# KiCad board FetsAndCrosses.kicad_pcb (continued)
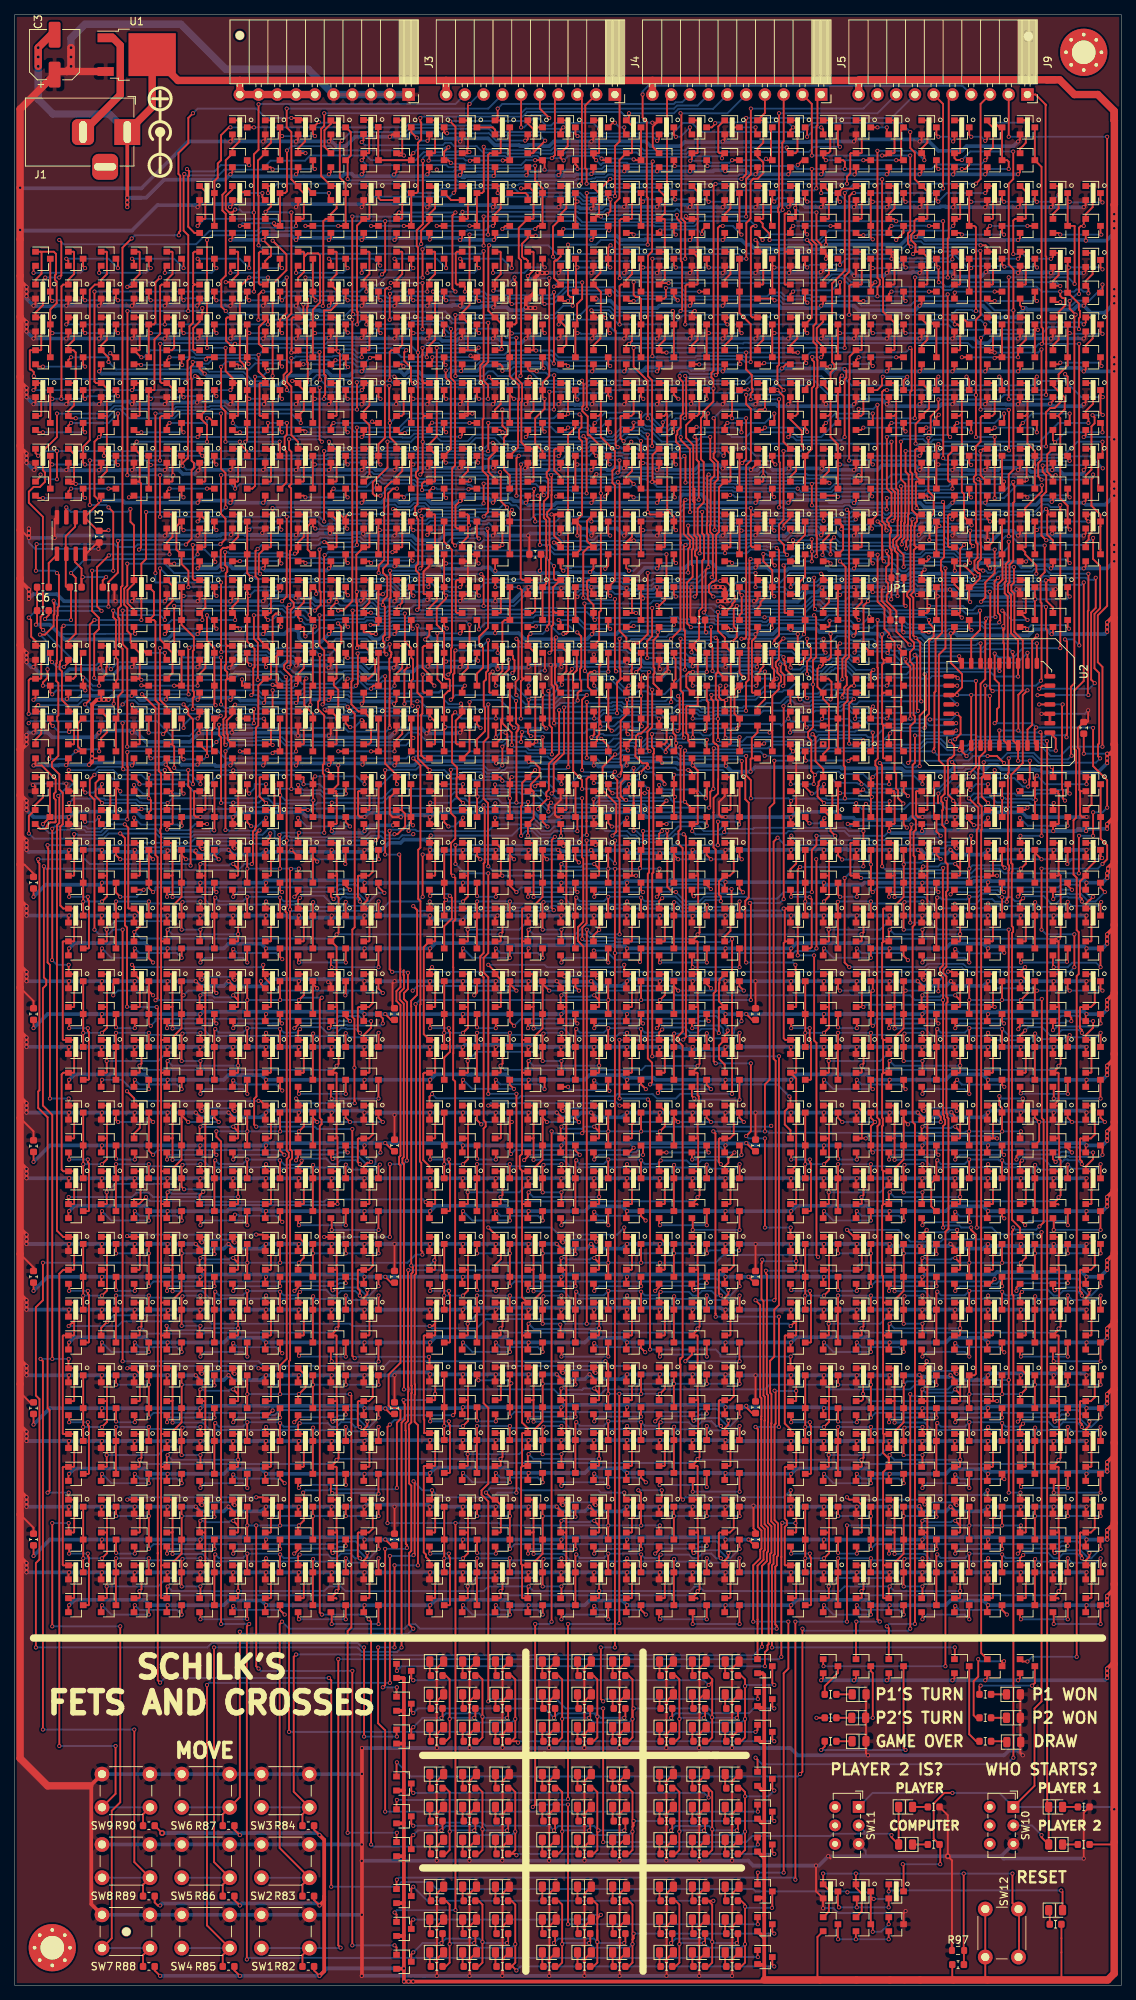
[diagram p0: board, top side]
## Routing (per net, layer and track width the routed paths; a pad name or vN(x,y) marks a point on that pad's centre or on a via; arc(x,y) is an arc through that point) (continued)
  Bottom w0.25: v1(83.19,253.36) 89.28,253.36 89.88,253.97 94.58,253.97 96.52,255.9 ; v1(122.15,199.93) 122.62,199.47 138.23,199.47 139.19,200.42 139.95,200.42 140.31,200.07 141.33,200.07 v1(141.6,200.34) ; v1(132.72,170.81) 137.76,170.81 v1(138.33,170.24) 145.99,170.24 v1(146.05,170.18) ; v1(146.05,158.75) 147.32,158.75 v1(147.95,159.38) ; v1(144.12,150.5) 133.98,150.5 133.35,151.13 130.17,151.13 129.54,150.5 123.62,150.5 123.49,150.37 122.55,150.37 122.42,150.5 113.03,150.5 v1(112.39,149.86) ; v1(136.84,137.79) 128.91,137.79 128.46,138.25 123.64,138.25 123.22,137.82 113.13,137.82 113.1,137.79 ; v1(132.72,180.24) 133.25,179.7 135.25,179.7 136.52,180.97 v1(141.6,180.97) ; 84.27,208.01 84.57,207.72 86.61,207.72 86.93,208.03 99.31,208.03 100.33,207.01 v1(122.55,207.01) ; 84.27,208.01 79.9,208.01 79.4,208.51 78.08,208.51 77.62,208.05 68.55,208.05 68.54,208.06 65.44,208.06 v1(64.74,208.76) 64.35,208.76 63.68,208.1 43.36,208.1 v1(42.55,208.91) ; 84.27,208.01 82.23,208.01 82.05,208.2 v1(81.66,208.2) ; v1(100.33,30.8) 101.22,29.9 134.36,29.9 v1(135.25,30.8) ; v1(139.1,133.5) 138.95,133.35 v1(136.27,133.35) 133.73,133.35 v1(133.71,133.37) 133.69,133.35 v1(129.29,133.35) ; v1(135.22,102.56) 135.51,102.27 138.35,102.27 v1(138.78,102.7) ; v1(144.14,155.57) v1(146.05,155.57)
/Computer/30: length 539.9
  Top w0.25: Q1285.3 129.27,116.86 ; 129.27,116.86 129.29,116.84 ; 129.27,116.86 Q1286.3 ; v1(133.73,115.57) 133.72,115.59 Q1288.3 133.72,118.76 133.35,119.12 v1(133.35,120.33) ; Q1303.1 136.16,115.46 v1(136.27,115.57) ; 136.27,119.17 Q1301.1 136.52,119.42 v1(136.52,120.01) ; v1(104.78,49.21) 104.78,42.86 104.14,42.23 v1(104.14,15.24) ; v1(37.47,239.94) 37.47,226.27 36.85,225.66 36.85,218.4 36.41,217.96 36.41,216.79 36.85,216.35 v1(36.85,215.9) ; 47.96,207.96 48.04,207.88 v1(48.04,204.24) 47.31,203.51 Q569.1 47.04,203.51 46.94,203.41 ; 47.96,207.96 Q570.1 ; 47.96,207.96 48.04,208.04 48.04,211.17 47.26,211.94 Q593.1 47.26,213.05 48.04,213.83 48.04,216.77 47.96,216.85 Q594.1 47.26,216.15 v1(47,215.89) ; v1(118.09,199.76) 118.11,199.79 v1(118.11,201.29) ; v1(88.34,242.71) 88.34,255.34 88.9,255.9 ; v1(140.99,167.1) 140.99,168.74 U2.30 ; v1(94.93,90.49) 94.93,90.88 94.9,90.91 94.9,115.29 v1(94.62,115.57) ; v1(34.29,242.57) 34.29,243.15 Q541.1 34.62,243.52 34.7,243.44 34.7,240.76 v1(33.97,240.03) 33.97,239.12 Q542.1 ; v1(100.33,75.56) 100.65,75.25 100.65,62.04 101.13,61.56 101.13,59.09 100.97,58.93 100.97,57.78 100.01,56.83 v1(100.01,49.21) ; v1(107.96,200.31) 107.95,200.32 v1(107.95,203.2) ; v1(61.66,203.68) 61.49,203.51 Q575.1 60.59,204.16 61.37,204.94 61.37,207.88 61.3,207.96 Q576.1 ; v1(103.51,75.56) v1(103.51,90.49) ; v1(124.46,167) 124.46,167.39 124.56,167.49 124.56,174.97 124.71,175.12 124.71,182.17 125.6,183.07 125.6,191.33 125.45,191.48 125.45,192.86 125.87,193.28 125.87,200.61 v1(125.72,200.77) ; v1(110.33,203.32) 110.33,203.37 110.19,203.51 Q744.1 109.49,204.16 110.27,204.94 110.27,207.88 110.19,207.96 Q743.1 ; Q1338.1 100.6,15.19 v1(100.65,15.24) ; v1(101.6,115.57) 101.6,121.92 102.23,122.55 102.23,159.38 102.87,160.02 v1(102.87,165.73)
  Bottom w0.25: v1(136.27,115.57) v1(133.73,115.57) v1(129.26,115.57) 128.87,115.57 128.68,115.39 102.17,115.39 101.99,115.57 v1(101.6,115.57) v1(94.62,115.57) ; 123.11,201.24 123.19,201.29 ; 123.19,201.29 123.19,200.88 123.45,200.62 125.57,200.62 v1(125.72,200.77) ; 123.19,201.29 v1(118.11,201.29) ; v1(102.87,165.73) 105.41,165.73 106.68,167 v1(124.46,167) 124.92,166.54 128.19,166.54 128.62,166.97 128.87,166.97 129.99,168.09 139.25,168.09 140.24,167.1 v1(140.99,167.1) ; v1(34.29,242.57) 35.56,243.84 52.07,243.84 53.34,242.57 57.15,242.57 57.79,243.2 67.69,243.2 68.29,242.6 76.55,242.6 77.18,241.97 78.16,241.97 78.24,242.05 78.85,242.05 79.41,242.6 79.66,242.6 79.81,242.76 88.29,242.76 v1(88.34,242.71) ; v1(36.85,215.9) 37.13,215.62 46.72,215.62 v1(47,215.89) ; v1(33.97,240.03) 35.88,240.03 35.97,239.94 v1(37.47,239.94) ; v1(133.35,120.33) 133.67,120.01 v1(136.52,120.01) ; v1(100.33,75.56) v1(103.51,75.56) ; v1(100.65,15.24) v1(104.14,15.24) ; v1(107.96,200.31) 108.11,200.16 112.27,200.16 112.42,200.31 113,200.31 113.33,199.98 117.87,199.98 v1(118.09,199.76) ; v1(104.78,49.21) v1(100.01,49.21) ; v1(110.33,203.32) 107.2,203.32 106.87,203.65 104.89,203.65 104.84,203.6 97.79,203.6 97.74,203.65 93.85,203.65 93.45,204.05 86.52,204.05 86.29,204.29 82.09,204.29 81.94,204.14 81.52,204.14 81.41,204.02 81.24,204.02 81,203.78 72.36,203.78 72.06,204.08 67.1,204.08 66.76,203.74 65.25,203.74 65.15,203.84 61.81,203.84 v1(61.66,203.68) 61.6,203.74 56,203.74 55.68,203.42 54.45,203.42 54.14,203.74 49.9,203.74 49.56,204.08 48.2,204.08 v1(48.04,204.24) ; v1(103.51,90.49) v1(94.93,90.49)
/Computer/sheet5EDC8ECF/Q: length 55.7
  Top w0.25: v1(115.57,187.32) 114.96,186.71 v1(114.96,181.58) 114.96,181.32 Q1358.3 ; v1(120.65,186.69) 120.39,186.94 JP1.1 ; v1(111.76,181.61) 111.49,181.34 Q1355.3 Q1353.3 ; 120.05,170.85 120.38,171.18 Q1354.3 ; 120.05,170.85 120.05,167.34 Q1359.3 ; 120.05,170.85 120.05,180.01 Q1361.3 119.76,180.96 v1(119.76,181.21) ; 120.02,175.89 Q1349.3
  Bottom w0.25: v1(115.57,187.32) 118.11,187.32 118.74,186.69 v1(120.65,186.69) ; v1(114.96,181.58) 114.94,181.6 114.94,181.61 ; 114.94,181.61 v1(111.76,181.61) ; 114.94,181.61 115.12,181.43 119.54,181.43 v1(119.76,181.21)
/EndState_Detect/Draw: length 211.4
  Top w0.25: v1(104.11,182.28) 103.51,181.67 103.51,179.49 103.07,179.06 103.07,178.49 103.29,178.27 103.29,177.64 103.79,177.14 103.79,176.47 103.47,176.15 103.47,175.4 102.6,174.53 102.6,169.81 ; v1(106.88,182.86) 107.05,183.02 Q1379.3 Q1382.3 ; v1(86.29,169.33) 86.29,167.59 86.56,167.32 86.56,166.74 86.49,166.67 86.49,150.62 86.34,150.47 v1(86.34,125.73) ; 102.3,80.76 102.33,80.79 ; 102.3,80.76 102.3,84.52 102.87,85.09 102.87,91.44 103.51,92.07 v1(103.51,125.73) ; 102.3,80.76 102.3,80.2 102.48,80.02 102.48,76.07 102.45,76.04 102.45,62.78 102.93,62.3 102.93,58.35 102.77,58.18 102.77,57.04 102.55,56.83 v1(102.55,45.72) ; v1(102.23,169.54) 102.33,169.54 102.6,169.81 ; v1(127.32,45.72) 127.32,44.18 Q1343.1 ; 102.6,169.81 Q1383.3
  Bottom w0.25: 104.2,182.25 104.16,182.28 v1(104.11,182.28) 106.3,182.28 v1(106.88,182.86) ; v1(103.51,125.73) v1(86.34,125.73) ; v1(86.29,169.33) 86.43,169.46 89.18,169.46 89.48,169.16 90.06,169.16 90.44,169.54 92.83,169.54 93.21,169.16 94.13,169.16 94.43,169.46 97.83,169.46 97.88,169.52 102.21,169.52 v1(102.23,169.54) ; v1(102.55,45.72) v1(127.32,45.72)
/EndState_Detect/Draw_Detect/0: length 46.5
  Top w0.25: Q493.3 66.46,238.12 v1(66.05,237.71) ; v1(70.48,246.26) 70.48,244.22 71.48,243.22 Q495.3 Q496.3 70.91,238.12 v1(70.49,237.71) ; Q511.1 47.93,252.46 48.01,252.38 48.01,248.01 47.96,247.96 Q514.1 47.26,247.28 v1(46.99,247.01)
  Bottom w0.25: v1(46.99,247.01) 47.67,246.34 56.31,246.34 56.35,246.38 58.45,246.38 58.77,246.06 59.34,246.06 59.36,246.08 60.76,246.08 60.96,245.89 62.34,245.89 62.39,245.94 65.34,245.94 65.35,245.93 68.77,245.93 69.1,246.26 v1(70.48,246.26) ; v1(70.49,237.71) v1(66.05,237.71)
/EndState_Detect/Draw_Detect/1: length 23.4
  Top w0.25: Q515.3 v1(114.94,247.01) ; v1(119.38,247.01) Q518.3 120.05,247.35 120.05,251.13 Q517.3 ; Q510.1 110.19,252.41 110.46,252.14 110.46,248.23 110.19,247.96 Q508.1 109.49,247.38 v1(109.86,247.01)
  Bottom w0.25: v1(119.38,247.01) v1(114.94,247.01) v1(109.86,247.01)
/EndState_Detect/Draw_Detect/2: length 67
  Top w0.25: Q543.3 v1(57.15,238.12) ; v1(63.52,248.83) 63.52,242.79 63.3,242.57 Q545.3 Q546.3 61.62,238.12 v1(61.59,238.15) ; v1(104.56,248.74) 104.56,248.45 Q502.1 105.75,247.96 106.01,248.23 106.01,252.14 105.75,252.41 Q509.1
  Bottom w0.25: v1(63.52,248.83) 63.87,248.48 66.75,248.48 66.87,248.37 69.67,248.37 69.82,248.52 71.15,248.52 71.31,248.35 72.62,248.35 73.24,248.97 84.61,248.97 85.23,248.34 90.79,248.34 91.18,248.74 v1(104.56,248.74) ; v1(57.15,238.12) 61.57,238.12 v1(61.59,238.15)
/EndState_Detect/Draw_Detect/3: length 24.1
  Top w0.25: Q519.3 v1(97.16,247.01) ; Q521.3 102.42,251.28 102.42,247.2 Q522.3 101.93,247.01 v1(101.75,247.2) ; v1(91.49,246.94) 91.71,247.16 Q513.1 92.41,247.96 92.49,248.04 92.49,252.33 92.41,252.41 Q505.1
  Bottom w0.25: v1(101.75,247.2) 101.56,247.01 v1(97.16,247.01) 96.82,246.68 94.25,246.68 93.99,246.94 v1(91.49,246.94)
/EndState_Detect/Draw_Detect/4: length 60.6
  Top w0.25: v1(52.7,238.12) Q526.3 Q525.3 54.41,242.57 54.61,242.77 54.61,249.38 55.05,249.81 55.05,252.1 54.93,252.22 v1(54.93,252.73) ; Q523.3 v1(48.26,238.12) ; v1(86.36,252.09) 86.95,252.09 Q504.1 86.41,251.56 86.41,248.82 Q507.1
  Bottom w0.25: v1(48.26,238.12) v1(52.7,238.12) ; v1(86.36,252.09) 83.57,252.09 82.11,253.55 69.4,253.55 68.77,252.91 55.11,252.91 v1(54.93,252.73)
/EndState_Detect/Draw_Detect/5: length 23.3
  Top w0.25: Q529.3 Q530.3 83.93,247.01 v1(83.82,247.13) ; Q527.3 79.69,247.01 v1(79.47,247.23) ; Q503.1 74.63,252.41 74.9,252.14 74.9,248.93 Q501.1 73.93,247.31 74.26,246.98 v1(74.34,246.98)
  Bottom w0.25: v1(83.82,247.13) 83.71,247.23 v1(79.47,247.23) 79.09,247.62 74.98,247.62 v1(74.34,246.98)
/EndState_Detect/Draw_Detect/6: length 55.2
  Top w0.25: Q531.3 v1(39.37,238.12) ; v1(43.81,238.12) Q534.3 Q533.3 44.81,243.87 44.02,244.67 44.02,249.37 v1(44.3,249.65) ; Q499.1 69.48,251.99 70.26,251.21 70.26,248.04 ; 70.26,248.04 70.26,248.08 v1(71.84,249.66) ; 70.26,248.04 70.19,247.96 Q512.1
  Bottom w0.25: v1(39.37,238.12) v1(43.81,238.12) ; v1(71.84,249.66) 71.12,250.37 65.15,250.37 64.26,251.26 58.44,251.26 58.31,251.4 53.48,251.4 52.91,250.82 45.48,250.82 v1(44.3,249.65)
/EndState_Detect/Draw_Detect/7: length 23.7
  Top w0.25: Q537.3 Q538.3 66.13,247.01 v1(66.09,246.98) ; Q535.3 61.72,247.01 v1(61.64,246.94) ; v1(56.05,246.96) 56.15,247.07 Q506.1 56.85,247.96 56.93,248.04 56.93,252.33 56.85,252.41 Q498.1
  Bottom w0.25: v1(56.05,246.96) 58.43,246.96 58.73,247.26 60.77,247.26 61.05,246.98 61.6,246.98 v1(61.64,246.94) 61.68,246.98 v1(66.09,246.98)
/EndState_Detect/Draw_Detect/8: length 41.5
  Top w0.25: Q539.3 v1(30.48,238.12) ; Q497.1 52.41,252.41 52.48,252.33 52.48,248.04 52.41,247.96 Q500.1 52.02,247.65 v1(52.7,247.65) ; v1(36.86,248.33) 36.86,242.81 36.62,242.57 Q541.3 Q542.3 35.22,238.12 35.11,238.24 v1(35.11,238.48)
  Bottom w0.25: v1(35.11,238.48) 30.84,238.48 v1(30.48,238.12) ; v1(52.7,247.65) 52.01,248.34 43.32,248.34 42.75,248.92 37.46,248.92 v1(36.86,248.33)
/EndState_Detect/P1_Won: length 465.4
  Top w0.25: Q479.3 Q481.3 4.81,228.23 v1(5.08,227.96) ; Q477.3 13.7,228.33 v1(13.97,228.06) ; v1(116.84,248.28) 116.84,231.11 117.15,230.79 117.15,230.19 116.84,229.87 v1(116.84,228.6) ; Q423.1 123.52,252.41 123.6,252.33 123.6,249.39 122.83,248.61 Q421.1 123.19,247.6 v1(123.19,247.01) ; Q482.3 18.14,228.33 v1(18.42,228.06) ; Q478.3 27.04,228.33 v1(27.31,228.06) ; v1(128.59,194.96) 128.05,194.41 128.05,190.08 128.27,189.85 v1(128.27,189.46) ; v1(104.12,197.17) 104.12,197.68 105.05,198.61 Q1380.1 ; v1(9.53,228.06) 9.25,228.33 Q487.3 ; Q483.3 31.48,228.33 v1(31.75,228.06) ; v1(123.87,195.61) 123.9,195.64 v1(123.9,197.97) 123.9,198.63 124.46,199.19 124.46,201.49 123.74,202.21 v1(123.74,209.42) ; v1(143.83,44.45) 143.82,44.45 143.82,136.59 144.11,136.87 144.11,142.53 143.82,142.81 143.82,149.91 143.4,150.34 143.4,157.68 143.74,158.02 143.74,167.12 143.51,167.34 143.51,175.26 144.78,176.53 v1(144.78,189.86) ; Q488.3 22.59,228.33 v1(22.86,228.06) ; 135.89,43.86 Q1341.1 136.47,43.81 v1(137.16,43.81) ; v1(94.3,183.83) 94.3,181.2 94.5,181 v1(94.5,177.87) ; v1(36.2,228.06) 35.92,228.33 Q489.3 ; v1(91.57,183.81) 91.06,184.32 91.06,189.87 91.81,190.62 91.81,192.14 91.69,192.26 91.69,194.28 91.89,194.47 91.89,195.76 91.21,196.44 v1(91.21,197.55) ; Q1378.1 100.6,173.05 101.6,174.05 v1(101.6,177.8) ; v1(126.68,209.55) 126.35,209.88 v1(126.35,228.85)
  Bottom w0.25: v1(123.9,197.97) 122.68,197.97 122.23,197.52 118.46,197.52 118.31,197.67 117.3,197.67 117.15,197.52 116.57,197.52 116.26,197.83 115.92,197.83 115.76,197.67 110.7,197.67 110.09,197.07 109.16,197.07 108.78,197.46 104.41,197.46 v1(104.12,197.17) 103.73,197.17 103.41,197.48 95.17,197.48 95.07,197.59 91.24,197.59 v1(91.21,197.55) ; v1(126.68,209.55) 126.41,209.82 124.35,209.82 123.95,209.42 v1(123.74,209.42) ; v1(126.35,228.85) 126.1,228.6 v1(116.84,228.6) 111.67,228.6 111.6,228.53 108.08,228.53 107.82,228.79 106.87,228.79 106.7,228.62 104.3,228.62 103.82,229.11 102.43,229.11 101.93,228.6 90.77,228.6 90.24,229.12 81.74,229.12 81.04,229.83 74.59,229.83 73.05,228.3 63.8,228.3 63.5,228.6 58.76,228.6 58.71,228.66 58.13,228.66 58.08,228.6 54.32,228.6 54.26,228.66 51.42,228.66 51.1,228.34 50.53,228.34 50.22,228.66 49.24,228.66 49.19,228.6 45.43,228.6 45.37,228.66 36.8,228.66 v1(36.2,228.06) v1(31.75,228.06) v1(27.31,228.06) 27.03,228.33 23.13,228.33 v1(22.86,228.06) v1(18.42,228.06) v1(13.97,228.06) v1(9.53,228.06) 5.17,228.06 v1(5.08,227.96) ; v1(123.19,247.01) 121.92,248.28 v1(116.84,248.28) ; v1(101.6,177.8) 100.01,177.8 99.79,178.02 98.22,178.02 97.82,177.63 94.75,177.63 v1(94.5,177.87) ; v1(144.78,189.86) 144.46,189.55 134.39,189.55 133.81,188.96 132.58,188.96 132.26,189.29 131.58,189.29 131.47,189.18 129.41,189.18 129.13,189.46 v1(128.27,189.46) ; v1(137.16,43.81) 137.79,44.45 v1(143.83,44.45) ; v1(128.59,194.96) 128.2,194.96 128.02,195.13 126.18,195.13 125.69,195.61 v1(123.87,195.61) ; v1(94.3,183.83) 91.6,183.83 v1(91.57,183.81)
/EndState_Detect/P2_Won: length 397.5
  Top w0.25: Q597.3 Q599.3 40.37,228.58 40.74,228.22 v1(40.74,228.04) ; v1(62.87,227.96) 62.59,228.23 Q596.3 ; Q595.3 49.26,228.33 v1(49.53,228.06) ; Q600.3 53.7,228.33 v1(53.98,228.06) ; Q1379.1 104.34,185.73 104.27,185.81 104.27,192.02 v1(104.12,192.17) ; v1(138.97,176.56) 139.06,176.65 139.06,187.07 138.94,187.2 138.94,190.69 139.49,191.24 v1(139.49,194.86) 139.57,194.94 139.57,194.95 ; v1(105.41,195.58) 105.41,194.63 105.41,194.62 Q1381.1 ; Q607.3 71.48,227.82 v1(71.76,227.55) ; v1(110.49,193.67) 110.49,195.5 v1(110.96,195.97) ; v1(107.94,195.71) 107.95,195.69 v1(107.95,192.72) ; v1(67.31,227.55) 67.04,227.82 Q601.3 ; Q605.3 44.81,228.33 v1(45.08,228.06) ; v1(131.44,175.89) 131.44,167 130.63,166.19 130.63,164.72 130.49,164.59 130.49,160.02 130.96,159.56 130.96,156.42 130.89,156.35 130.89,44.95 Q1342.1 ; Q424.1 127.97,252.41 128.05,252.33 128.05,248.04 127.97,247.96 Q422.1 127.27,247.31 127.55,247.04 v1(128.27,247.04) ; Q606.3 58.15,228.33 v1(58.42,228.06) ; v1(134.62,196.12) 134.62,204.47 135.26,205.11 135.26,208.03 135.25,208.04 v1(135.25,226.69) 135.25,232.28 134.62,232.91 134.62,243.84 135.23,244.45 v1(135.23,248.19)
  Bottom w0.25: v1(128.27,247.04) 129.43,248.19 v1(135.23,248.19) ; v1(110.96,195.97) 111,195.97 111.7,195.26 118.78,195.26 120.18,193.86 120.56,193.86 120.71,193.71 122.59,193.71 123.19,194.31 125.73,194.31 125.81,194.23 127.4,194.23 127.95,193.67 132.97,193.67 133.32,194.02 133.32,195.23 134.21,196.12 135.01,196.12 ; v1(105.41,195.58) 107.81,195.58 v1(107.94,195.71) ; 105.73,192.72 106.05,192.72 ; 105.73,192.72 105.4,192.39 104.45,192.39 104.23,192.17 v1(104.12,192.17) ; 105.73,192.72 v1(107.95,192.72) ; 135.01,196.12 v1(134.62,196.12) ; 135.01,196.12 136.27,194.86 v1(139.49,194.86) ; v1(40.74,228.04) 40.75,228.06 v1(45.08,228.06) v1(49.53,228.06) 49.69,227.89 51.29,227.89 51.45,228.06 v1(53.98,228.06) v1(58.42,228.06) 62.77,228.06 v1(62.87,227.96) 62.98,227.85 67.01,227.85 v1(67.31,227.55) 67.7,227.55 67.85,227.7 71.22,227.7 71.37,227.55 v1(71.76,227.55) 72.94,227.55 74.77,229.38 80.85,229.38 81.56,228.67 90.06,228.67 90.58,228.15 102.11,228.15 102.62,228.66 103.63,228.66 104.12,228.17 106.89,228.17 107.06,228.34 107.64,228.34 108.01,227.96 114.05,227.96 114.65,227.36 121.32,227.36 121.92,227.96 131.44,227.96 132.72,226.69 v1(135.25,226.69) ; v1(110.49,193.67) 109.96,194.2 108.5,194.2 108.36,194.06 v1(107.97,194.06) ; v1(138.97,176.56) 138.31,175.89 v1(131.44,175.89)
/EndState_Detect/sheet5ED298A3/sheet5ED2645B/A: length 32.9
  Top w0.25: Q428.1 136.16,248.61 136.52,248.92 136.94,249.39 136.94,252.33 136.86,252.41 Q427.1 136.84,252.41 v1(137.16,252.09) ; Q425.3 133.35,251.46 v1(132.72,252.09) ; Q425.3 133.72,250.01 ; Q425.3 Q426.3 134.41,247.01 134.62,246.81 v1(134.62,245.84) ; Q422.3 129.27,246.36 128.74,245.84 v1(128.27,245.84) ; Q421.3 124.83,246.11 v1(125.1,245.84)
  Bottom w0.25: v1(125.1,245.84) v1(128.27,245.84) v1(134.62,245.84) ; v1(132.72,252.09) v1(137.16,252.09)
/EndState_Detect/sheet5F618C3B/C: length 82.4
  Top w0.25: v1(123.83,184.78) 123.83,184.35 124.46,183.71 124.46,182.56 123.84,181.94 123.84,172.08 123.36,171.61 123.36,170.32 v1(123.22,170.19) ; Q1383.1 101.38,167.95 v1(101.49,168.06) ; Q1382.1 105.09,190.13 v1(105.09,189.23) ; Q1384.3 89.17,171.36 89.17,169.49 89.5,169.16 89.5,167.24 Q1385.3 89.57,167.31 v1(89.57,168.11) ; v1(108.27,190.5) 108.27,186.37 v1(108.38,186.26)
  Bottom w0.25: v1(108.27,190.5) 106.36,190.5 v1(105.09,189.23) ; v1(123.22,170.19) 117.8,170.19 116.52,168.91 115.57,168.91 115.25,169.23 108.9,169.23 108.03,168.36 101.78,168.36 v1(101.49,168.06) 101.3,167.87 98.4,167.87 98.32,167.79 95.19,167.79 94.96,168.02 94.39,168.02 94.33,167.96 93.44,167.96 93.2,168.21 89.66,168.21 v1(89.57,168.11) ; v1(108.38,186.26) 108.67,185.97 114.76,185.97 114.91,185.82 117.5,185.82 118.14,185.19 123.42,185.19 v1(123.83,184.78)
/EndState_Detect/sheet5F619E8D/A: length 222.6
  Top w0.25: v1(107.95,245.84) 107.95,236.22 108.56,235.61 108.56,224.99 108.17,224.59 108.17,222.41 108.62,221.96 108.62,220.06 108.71,219.96 108.71,216.28 108.56,216.13 108.56,196.3 108.62,196.25 108.62,193.48 v1(108.55,193.41) ; Q508.3 112.19,247.01 112.43,246.78 v1(112.43,245.84) ; v1(71.76,245.74) 71.76,246.74 Q512.3 ; Q511.3 49.23,247.04 Q514.3 Q500.3 53.7,247.7 v1(53.98,247.97) ; v1(99.04,172.5) 99.04,176.34 99.39,176.69 99.39,180.96 99.38,180.97 99.38,181.67 99.39,181.69 99.39,182.14 99.51,182.26 99.51,192.89 v1(99.66,193.04) ; v1(93.81,246.23) 93.71,246.33 Q513.3 ; v1(131.44,247.01) 131.72,247.28 Q426.1 132.49,248.74 132.49,251.43 131.72,252.21 Q425.1 ; 88.04,168.03 87.97,167.95 ; 87.97,167.95 88.28,168.27 v1(88.28,172.1) 87.99,172.4 Q1384.1 ; 87.97,167.95 Q1385.1 ; Q512.3 71.48,246.65 ; Q512.3 v1(70.48,247.01) ; v1(89.38,246.23) 89.27,246.34 Q507.3 ; v1(59.06,246.66) 58.7,247.01 Q506.3 58.15,248.18 v1(58.74,248.76) ; v1(76.2,245.84) 76.2,246.22 76,246.43 75.93,246.43 Q501.3 ; Q502.3 106.68,247.01 v1(106.05,246.38)
  Bottom w0.25: 105.95,245.84 v1(112.43,245.84) 124.21,245.84 124.81,246.44 130.87,246.44 v1(131.44,247.01) ; 105.95,245.84 106.05,245.93 v1(106.05,246.38) ; 105.95,245.84 105.56,246.23 v1(93.81,246.23) v1(89.38,246.23) 86.48,246.23 86.33,246.08 82.89,246.08 82.74,246.23 79.88,246.23 79.51,245.86 76.22,245.86 v1(76.2,245.84) 75.81,245.84 75.72,245.74 74.62,245.74 74.49,245.61 71.25,245.61 ; v1(108.55,193.41) 105.29,193.41 104.85,192.97 99.73,192.97 v1(99.66,193.04) ; v1(71.76,245.74) 71.37,245.74 71.25,245.63 71.25,245.61 ; v1(99.04,172.5) 99,172.45 95.72,172.45 95.71,172.47 94.76,172.47 94.61,172.32 92.86,172.32 92.51,172.66 89.73,172.66 89.17,172.1 v1(88.28,172.1) ; 71.25,245.61 69.09,245.61 68.95,245.48 65.16,245.48 65.15,245.49 62.57,245.49 62.52,245.44 60.77,245.44 60.58,245.63 59.55,245.63 59.38,245.47 57.42,245.47 v1(57.15,245.74) 57.06,245.84 ; v1(70.48,247.01) 69.22,247.01 68.58,246.38 65.53,246.38 65.52,246.39 62.2,246.39 62.15,246.34 61.19,246.34 61,246.53 59.19,246.53 v1(59.06,246.66) ; v1(58.74,248.76) 58.35,248.76 58.19,248.6 54.61,248.6 v1(53.98,247.97)
/EndState_Detect/Win_Detect_P1/Col_1: length 37.5
  Top w0.25: 18.14,214.99 Q459.3 18.85,215.9 18.92,215.98 18.92,222.76 19.68,223.52 19.68,229.98 19.89,230.19 Q488.1 20.59,230.83 21.37,231.61 21.37,234.55 21.29,234.63 Q486.1 ; 18.14,214.99 Q461.3 ; 18.14,214.99 18.14,214.99 v1(18.42,214.72) ; v1(27.31,215.08) 27.04,215.35 Q464.3 ; Q460.3 22.59,215.2 v1(22.86,214.93)
  Bottom w0.25: v1(27.31,215.08) 23.01,215.08 v1(22.86,214.93) 18.62,214.93 v1(18.42,214.72)
/EndState_Detect/Win_Detect_P1/Col_2: length 35.2
  Top w0.25: Q485.1 16.85,234.63 16.92,234.55 16.92,231.61 16.14,230.83 Q482.1 15.83,229.87 v1(15.24,229.87) ; 18.14,223.88 Q441.3 18.85,224.79 19.05,224.99 19.05,230.5 v1(19.68,231.14) ; 18.14,223.88 Q443.3 ; 18.15,223.89 18.16,223.89 v1(18.43,223.61) ; Q446.3 27.04,223.9 v1(27.32,223.61) ; v1(22.88,223.61) 22.59,223.9 Q442.3
  Bottom w0.25: v1(19.68,231.14) 19.05,230.5 15.88,230.5 v1(15.24,229.87) ; v1(18.43,223.61) v1(22.88,223.61) v1(27.32,223.61)
/EndState_Detect/Win_Detect_P1/Col_3: length 46.6
  Top w0.25: Q484.1 12.4,234.63 12.48,234.55 12.48,231.61 11.7,230.83 Q477.1 10.86,230.19 10.16,229.49 10.16,209.13 9.25,208.22 Q448.3 9.25,206.1 v1(9.53,205.83) ; 4.81,206.1 Q447.3 ; 4.81,206.1 Q449.3 ; 4.81,206.1 4.81,206.1 v1(5.08,205.83) ; Q452.3 13.7,206.04 v1(13.97,205.77)
  Bottom w0.25: v1(5.08,205.83) v1(9.53,205.83) 9.58,205.77 v1(13.97,205.77)
/EndState_Detect/Win_Detect_P1/Diag_1: length 37.9
  Top w0.25: Q480.1 7.96,234.63 8.03,234.55 8.03,231.61 7.25,230.83 Q487.1 6.55,230.19 6.33,229.96 6.33,215.13 6.31,215.11 v1(6.31,214.72) ; 4.81,214.99 Q471.3 ; 4.81,214.99 Q473.3 ; 4.81,214.99 4.81,214.99 v1(5.08,214.72) ; v1(13.97,215.08) 13.7,215.35 Q476.3 ; Q472.3 9.25,214.99 v1(9.53,214.72)
  Bottom w0.25: v1(5.08,214.72) v1(9.53,214.72) 9.88,215.08 v1(13.97,215.08)
/EndState_Detect/Win_Detect_P1/Diag_2: length 34.3
  Top w0.25: 4.81,223.88 Q465.3 4.81,226.81 5.68,227.68 5.68,230.6 5.43,230.85 5.43,231.43 5.59,231.58 5.59,234.34 5.3,234.63 3.51,234.63 ; 4.81,223.88 Q467.3 ; 4.81,223.89 4.82,223.89 v1(5.1,223.61) ; Q481.1 2.81,230.83 3.63,231.65 3.63,234.51 3.51,234.63 ; v1(9.54,223.61) 9.25,223.9 Q466.3 ; 3.51,234.63 Q479.1 ; v1(13.99,223.61) 13.7,223.9 Q470.3
  Bottom w0.25: v1(13.99,223.61) v1(9.54,223.61) v1(5.1,223.61) 5.01,223.52
/EndState_Detect/Win_Detect_P1/Row_1: length 46.2
  Top w0.25: 31.48,214.99 Q431.3 31.48,209.16 v1(31.23,208.91) ; 31.48,214.99 Q429.3 31.48,218.74 31.06,219.16 31.06,219.33 30.48,219.91 30.48,229.87 v1(31.75,231.14) ; 31.48,214.99 31.48,214.99 v1(31.75,214.72) ; 36.2,206.74 Q434.3 35.92,208.45 35.88,208.49 v1(35.88,208.91) ; Q492.1 33.22,234.63 33.05,234.46 33.05,230.36 33.22,230.19 Q489.1 34.29,230.55 v1(34.29,231.14) ; v1(36.2,214.72) 35.92,214.99 Q430.3
  Bottom w0.25: v1(31.23,208.91) 35.24,208.91 ; 35.24,208.91 35.46,208.91 ; 35.24,208.91 v1(35.88,208.91) ; v1(31.75,231.14) v1(34.29,231.14) ; v1(36.2,214.72) v1(31.75,214.72)
/EndState_Detect/Win_Detect_P1/Row_2: length 52.5
  Top w0.25: 31.48,223.88 Q435.3 ; 31.48,223.88 Q437.3 31.48,219.63 v1(31.66,219.45) ; 31.48,223.88 31.49,223.89 v1(31.77,223.61) ; Q491.1 30.18,234.63 30.26,234.55 30.26,231.61 29.48,230.83 Q483.1 29.16,230.5 v1(28.57,230.5) ; 31.75,206.74 Q440.3 31.48,207.66 30.48,208.66 v1(30.48,208.91) ; v1(36.21,223.61) 35.92,223.9 Q436.3 35.92,225.44 36.83,226.34 v1(36.83,231.14) ; v1(27.95,219.06) 27.95,213.61 28.54,213.01 v1(28.54,208.91)
  Bottom w0.25: v1(28.57,230.5) 36.2,230.5 v1(36.83,231.14) ; v1(27.95,219.06) 28.65,219.76 31.35,219.76 v1(31.66,219.45) ; v1(30.48,208.91) v1(28.54,208.91) ; v1(31.77,223.61) v1(36.21,223.61)
/EndState_Detect/Win_Detect_P1/Row_3: length 48.8
  Top w0.25: 18.14,206.1 Q453.3 ; 18.14,206.1 Q455.3 ; 18.14,206.1 18.14,206.1 18.14,206.05 v1(18.42,205.77) ; Q478.1 24.33,230.19 ; 24.33,230.19 24.16,230.36 24.16,234.46 24.33,234.63 Q490.1 ; 24.33,230.19 24.13,229.98 24.13,225.01 23.66,224.53 23.66,220.14 23.4,219.88 23.4,217.33 23.46,217.27 23.46,206.66 23.35,206.66 22.74,206.04 v1(22.74,205.65) 22.59,205.8 Q454.3 ; v1(27.31,205.83) 27.04,206.1 Q458.3
  Bottom w0.25: v1(18.42,205.77) 22.61,205.77 v1(22.74,205.65) 23.25,205.14 24.1,205.14 24.41,205.45 24.41,205.83 24.69,206.11 27.03,206.11 v1(27.31,205.83)
/EndState_Detect/Win_Detect_P2/Col_1: length 57.4
  Top w0.25: 53.7,214.99 Q577.3 ; 53.7,214.99 Q579.3 ; 53.7,214.99 53.7,214.99 v1(53.98,214.72) ; Q604.1 56.85,234.63 56.93,234.55 56.93,231.61 56.15,230.83 Q606.1 55.88,229.91 v1(55.88,229.23) ; v1(64.13,225.01) 64.13,219.7 63.5,219.07 63.5,217.17 64.11,216.56 v1(64.11,214.72) ; v1(58.42,214.72) 58.15,214.99 Q578.3 ; Q582.3 62.59,214.99 v1(62.87,214.72) ; v1(50.78,225.42) 50.78,228.91 v1(50.82,228.94)
  Bottom w0.25: v1(50.78,225.42) 51.05,225.7 58.51,225.7 59.2,225.01 v1(64.13,225.01) ; v1(64.11,214.72) v1(62.87,214.72) v1(58.42,214.72) v1(53.98,214.72) ; v1(50.82,228.94) 50.89,228.94 51.19,229.23 v1(55.88,229.23)
